# Altium PCB top_LM358.PcbDoc (part 2 of 6)
Units mil, origin at the board's own origin, x right, y up, seen from the top; angles counter-clockwise.
Board outline 10480 x 5830 mil, 2 copper layers (Top Layer, Bottom Layer); 771 components, 701 nets, 1994 pads, 493 vias.
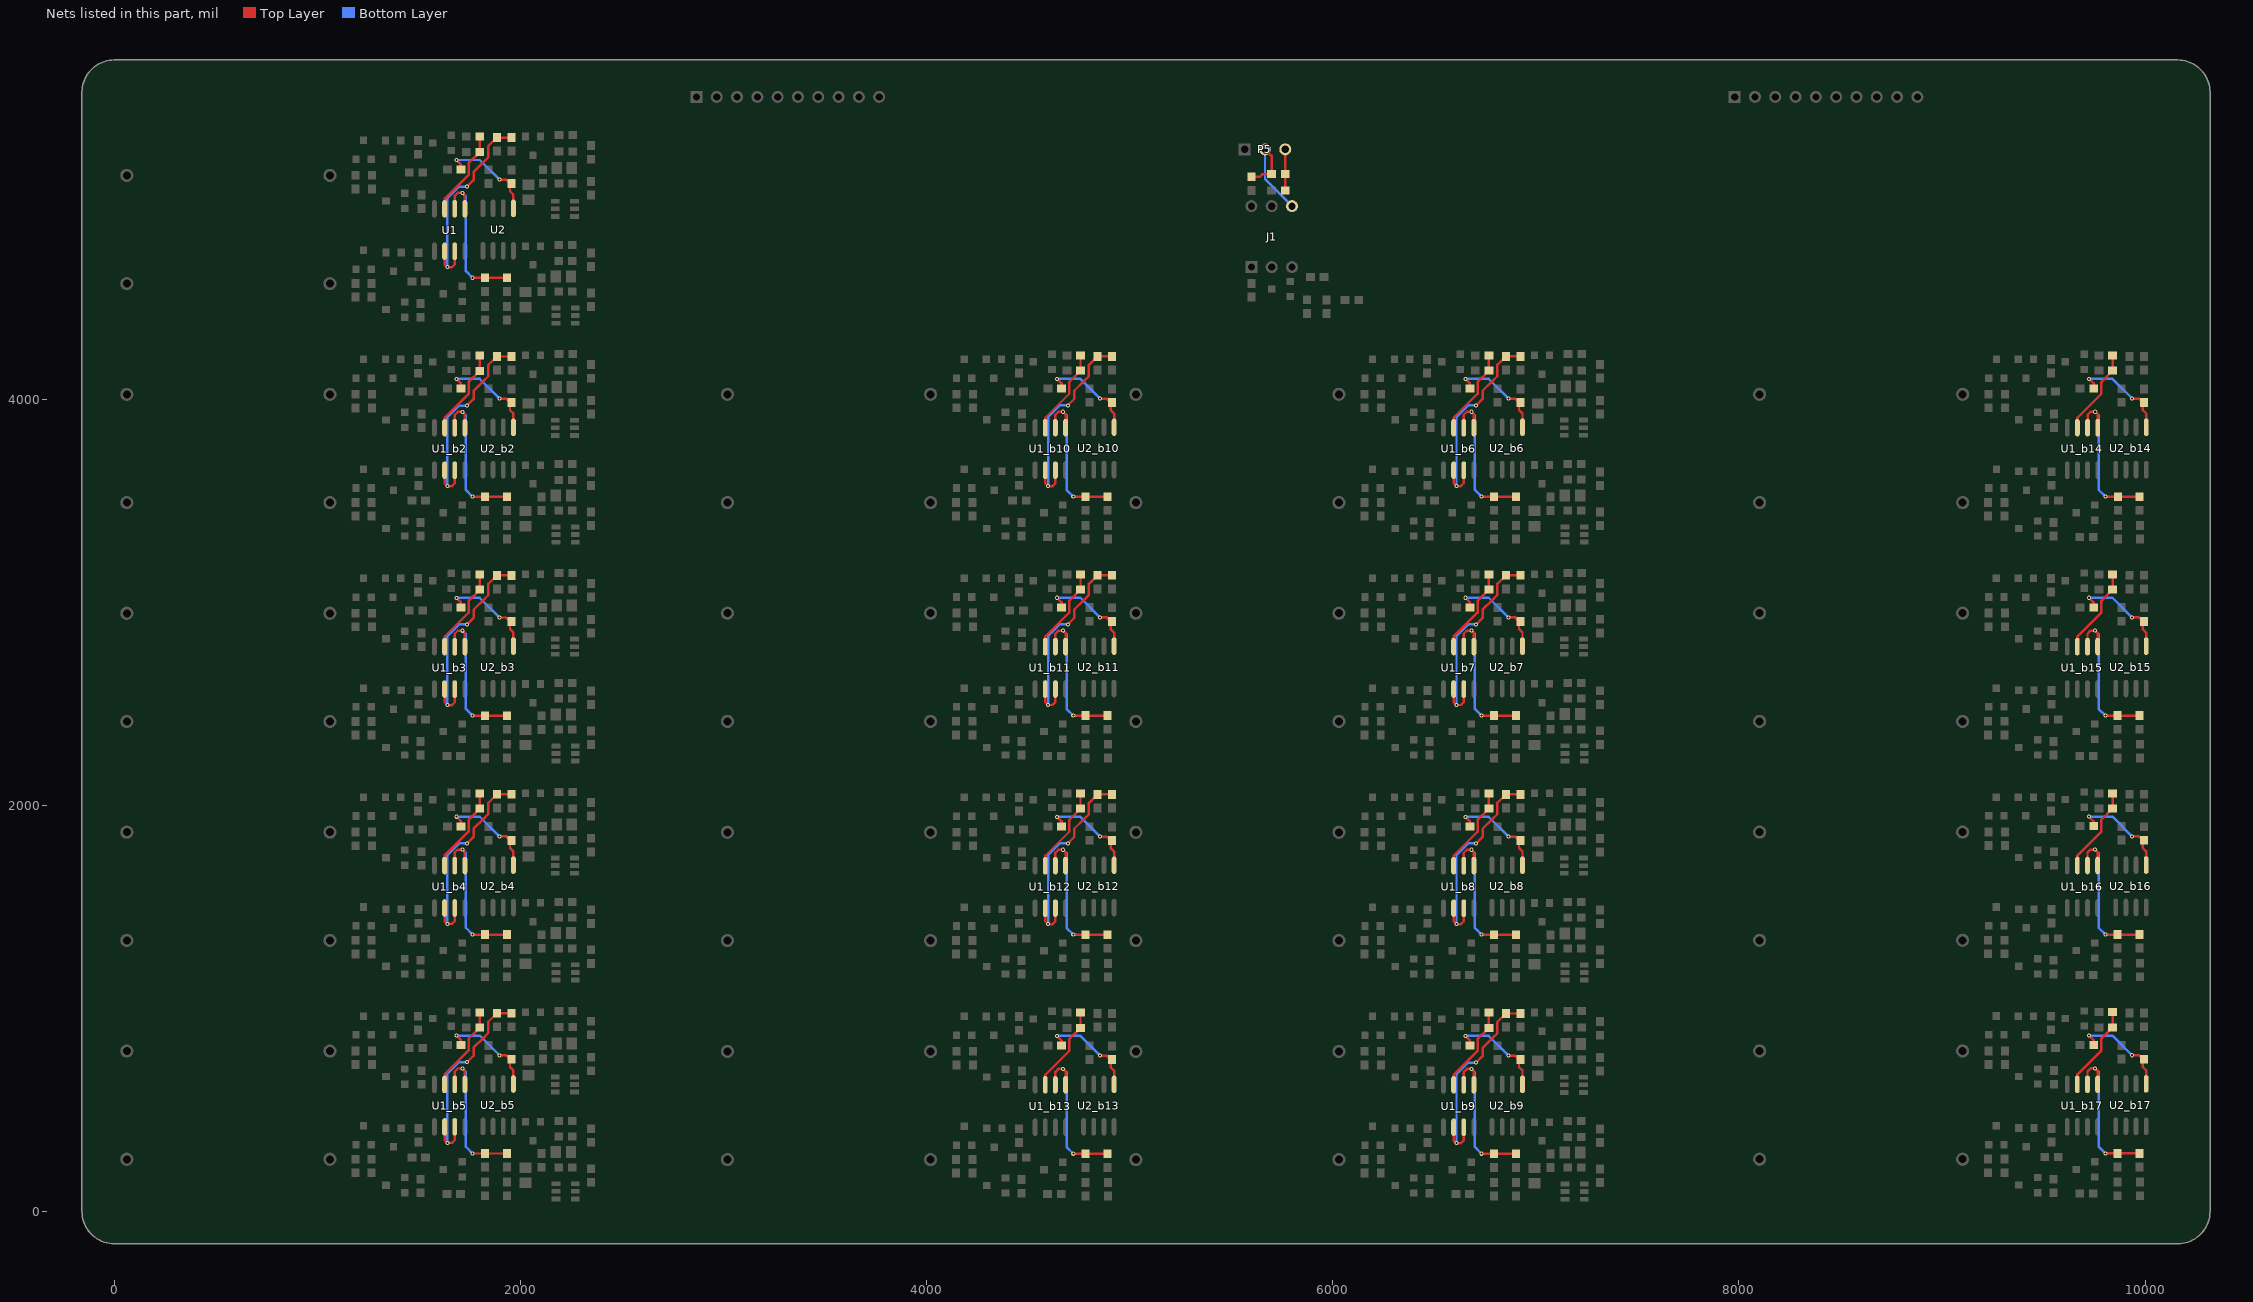
[diagram p2: the nets of this part, all layers, seen from the top]

## Components (designator, comment, footprint, x,y, rotation, side; value= is the part's Value field where it differs from the comment) (continued)
R43_b11 "Res1" 0603-1 4890.82,2407.58 r270 top (schematic designator R43)
R43_b12 "Res1" 0603-1 4890.82,1328.58 r270 top (schematic designator R43)
R43_b13 "Res1" 0603-1 4890.82,249.58 r270 top (schematic designator R43)
R43_b14 "Res1" 0603-1 9973.82,3485.58 r270 top (schematic designator R43)
R43_b15 "Res1" 0603-1 9973.57,2407.58 r270 top (schematic designator R43)
R43_b16 "Res1" 0603-1 9973.57,1329.58 r270 top (schematic designator R43)
R43_b17 "Res1" 0603-1 9973.57,251.58 r270 top (schematic designator R43)
R44 "Res1" 0603-1 1933.82,4422.58 r270 top
R44_b2 "Res1" 0603-1 1933.82,3344.26 r270 top (schematic designator R44)
R44_b3 "Res1" 0603-1 1933.82,2266.26 r270 top (schematic designator R44)
R44_b4 "Res1" 0603-1 1933.82,1188.26 r270 top (schematic designator R44)
R44_b5 "Res1" 0603-1 1933.82,110.26 r270 top (schematic designator R44)
R44_b6 "Res1" 0603-1 6903.08,3344.58 r270 top (schematic designator R44)
R44_b7 "Res1" 0603-1 6903.08,2266.58 r270 top (schematic designator R44)
R44_b8 "Res1" 0603-1 6903.08,1187.58 r270 top (schematic designator R44)
R44_b9 "Res1" 0603-1 6903.08,108.58 r270 top (schematic designator R44)
R44_b10 "Res1" 0603-1 4891.82,3344.58 r270 top (schematic designator R44)
R44_b11 "Res1" 0603-1 4891.82,2266.58 r270 top (schematic designator R44)
R44_b12 "Res1" 0603-1 4891.82,1187.58 r270 top (schematic designator R44)
R44_b13 "Res1" 0603-1 4891.82,108.58 r270 top (schematic designator R44)
R44_b14 "Res1" 0603-1 9974.82,3344.58 r270 top (schematic designator R44)
R44_b15 "Res1" 0603-1 9974.57,2266.58 r270 top (schematic designator R44)
R44_b16 "Res1" 0603-1 9974.57,1188.58 r270 top (schematic designator R44)
R44_b17 "Res1" 0603-1 9974.57,110.58 r270 top (schematic designator R44)
R45 "Res1" 0603-1 1954.82,5254.58 r270 top
R45_b2 "Res1" 0603-1 1954.82,4176.26 r270 top (schematic designator R45)
R45_b3 "Res1" 0603-1 1954.82,3098.26 r270 top (schematic designator R45)
R45_b4 "Res1" 0603-1 1954.82,2020.26 r270 top (schematic designator R45)
R45_b5 "Res1" 0603-1 1954.82,942.26 r270 top (schematic designator R45)
R45_b6 "Res1" 0603-1 6924.08,4176.58 r270 top (schematic designator R45)
R45_b7 "Res1" 0603-1 6924.08,3098.58 r270 top (schematic designator R45)
R45_b8 "Res1" 0603-1 6924.08,2019.58 r270 top (schematic designator R45)
R45_b9 "Res1" 0603-1 6924.08,940.58 r270 top (schematic designator R45)
R45_b10 "Res1" 0603-1 4912.82,4176.58 r270 top (schematic designator R45)
R45_b11 "Res1" 0603-1 4912.82,3098.58 r270 top (schematic designator R45)
R45_b12 "Res1" 0603-1 4912.82,2019.58 r270 top (schematic designator R45)
R45_b13 "Res1" 0603-1 4912.82,940.58 r270 top (schematic designator R45)
R45_b14 "Res1" 0603-1 9995.82,4176.58 r270 top (schematic designator R45)
R45_b15 "Res1" 0603-1 9995.57,3098.58 r270 top (schematic designator R45)
R45_b16 "Res1" 0603-1 9995.57,2020.58 r270 top (schematic designator R45)
R45_b17 "Res1" 0603-1 9995.57,942.58 r270 top (schematic designator R45)
R46 "Res1" 0603-1 1954.82,5094.58 r270 top
R46_b2 "Res1" 0603-1 1954.82,4016.26 r270 top (schematic designator R46)
R46_b3 "Res1" 0603-1 1954.82,2938.26 r270 top (schematic designator R46)
R46_b4 "Res1" 0603-1 1954.82,1860.26 r270 top (schematic designator R46)
R46_b5 "Res1" 0603-1 1954.82,782.26 r270 top (schematic designator R46)
R46_b6 "Res1" 0603-1 6924.08,4016.58 r270 top (schematic designator R46)
R46_b7 "Res1" 0603-1 6924.08,2938.58 r270 top (schematic designator R46)
R46_b8 "Res1" 0603-1 6924.08,1859.58 r270 top (schematic designator R46)
R46_b9 "Res1" 0603-1 6924.08,780.58 r270 top (schematic designator R46)
R46_b10 "Res1" 0603-1 4912.82,4016.58 r270 top (schematic designator R46)
R46_b11 "Res1" 0603-1 4912.82,2938.58 r270 top (schematic designator R46)
R46_b12 "Res1" 0603-1 4912.82,1859.58 r270 top (schematic designator R46)
R46_b13 "Res1" 0603-1 4912.82,780.58 r270 top (schematic designator R46)
R46_b14 "Res1" 0603-1 9995.82,4016.58 r270 top (schematic designator R46)
R46_b15 "Res1" 0603-1 9995.57,2938.58 r270 top (schematic designator R46)
R46_b16 "Res1" 0603-1 9995.57,1860.58 r270 top (schematic designator R46)
R46_b17 "Res1" 0603-1 9995.57,782.58 r270 top (schematic designator R46)
R47 "Res1" 0603-1 1882.82,5254.58 r270 top
R47_b2 "Res1" 0603-1 1882.82,4176.26 r270 top (schematic designator R47)
R47_b3 "Res1" 0603-1 1882.82,3098.26 r270 top (schematic designator R47)
R47_b4 "Res1" 0603-1 1882.82,2020.26 r270 top (schematic designator R47)
R47_b5 "Res1" 0603-1 1882.82,942.26 r270 top (schematic designator R47)
R47_b6 "Res1" 0603-1 6852.08,4176.58 r270 top (schematic designator R47)
R47_b7 "Res1" 0603-1 6852.08,3098.58 r270 top (schematic designator R47)
R47_b8 "Res1" 0603-1 6852.08,2019.58 r270 top (schematic designator R47)
R47_b9 "Res1" 0603-1 6852.08,940.58 r270 top (schematic designator R47)
R47_b10 "Res1" 0603-1 4840.82,4176.58 r270 top (schematic designator R47)
R47_b11 "Res1" 0603-1 4840.82,3098.58 r270 top (schematic designator R47)
R47_b12 "Res1" 0603-1 4840.82,2019.58 r270 top (schematic designator R47)
R47_b13 "Res1" 0603-1 4840.82,940.58 r270 top (schematic designator R47)
R47_b14 "Res1" 0603-1 9923.82,4176.58 r270 top (schematic designator R47)
R47_b15 "Res1" 0603-1 9923.57,3098.58 r270 top (schematic designator R47)
R47_b16 "Res1" 0603-1 9923.57,2020.58 r270 top (schematic designator R47)
R47_b17 "Res1" 0603-1 9923.57,942.58 r270 top (schematic designator R47)
R48 "Res1" 0603-1 1842.82,5095.58 r270 top
R48_b2 "Res1" 0603-1 1842.82,4017.26 r270 top (schematic designator R48)
R48_b3 "Res1" 0603-1 1842.82,2939.26 r270 top (schematic designator R48)
R48_b4 "Res1" 0603-1 1842.82,1861.26 r270 top (schematic designator R48)
R48_b5 "Res1" 0603-1 1842.82,783.26 r270 top (schematic designator R48)
R48_b6 "Res1" 0603-1 6812.08,4017.58 r270 top (schematic designator R48)
R48_b7 "Res1" 0603-1 6812.08,2939.58 r270 top (schematic designator R48)
R48_b8 "Res1" 0603-1 6812.08,1860.58 r270 top (schematic designator R48)
R48_b9 "Res1" 0603-1 6812.08,781.58 r270 top (schematic designator R48)
R48_b10 "Res1" 0603-1 4800.82,4017.58 r270 top (schematic designator R48)
R48_b11 "Res1" 0603-1 4800.82,2939.58 r270 top (schematic designator R48)
R48_b12 "Res1" 0603-1 4800.82,1860.58 r270 top (schematic designator R48)
R48_b13 "Res1" 0603-1 4800.82,781.58 r270 top (schematic designator R48)
R48_b14 "Res1" 0603-1 9883.82,4017.58 r270 top (schematic designator R48)
R48_b15 "Res1" 0603-1 9883.57,2939.58 r270 top (schematic designator R48)
R48_b16 "Res1" 0603-1 9883.57,1861.58 r270 top (schematic designator R48)
R48_b17 "Res1" 0603-1 9883.57,783.58 r270 top (schematic designator R48)
R49 "Res1" 0603-1 1824.82,4563.58 r270 top
R49_b2 "Res1" 0603-1 1824.82,3485.26 r270 top (schematic designator R49)
R49_b3 "Res1" 0603-1 1824.82,2407.26 r270 top (schematic designator R49)
R49_b4 "Res1" 0603-1 1824.82,1329.26 r270 top (schematic designator R49)
R49_b5 "Res1" 0603-1 1824.82,251.26 r270 top (schematic designator R49)
R49_b6 "Res1" 0603-1 6794.08,3485.58 r270 top (schematic designator R49)
R49_b7 "Res1" 0603-1 6794.08,2407.58 r270 top (schematic designator R49)
R49_b8 "Res1" 0603-1 6794.08,1328.58 r270 top (schematic designator R49)
R49_b9 "Res1" 0603-1 6794.08,249.58 r270 top (schematic designator R49)
R49_b10 "Res1" 0603-1 4782.82,3485.58 r270 top (schematic designator R49)
R49_b11 "Res1" 0603-1 4782.82,2407.58 r270 top (schematic designator R49)
R49_b12 "Res1" 0603-1 4782.82,1328.58 r270 top (schematic designator R49)
R49_b13 "Res1" 0603-1 4782.82,249.58 r270 top (schematic designator R49)
R49_b14 "Res1" 0603-1 9865.82,3485.58 r270 top (schematic designator R49)
R49_b15 "Res1" 0603-1 9865.57,2407.58 r270 top (schematic designator R49)
R49_b16 "Res1" 0603-1 9865.57,1329.58 r270 top (schematic designator R49)
R49_b17 "Res1" 0603-1 9865.57,251.58 r270 top (schematic designator R49)
R50 "Res1" 0603-1 1824.82,4422.58 r270 top
R50_b2 "Res1" 0603-1 1824.82,3344.26 r270 top (schematic designator R50)
R50_b3 "Res1" 0603-1 1824.82,2266.26 r270 top (schematic designator R50)
R50_b4 "Res1" 0603-1 1824.82,1188.26 r270 top (schematic designator R50)
R50_b5 "Res1" 0603-1 1824.82,110.26 r270 top (schematic designator R50)
R50_b6 "Res1" 0603-1 6794.08,3344.58 r270 top (schematic designator R50)
R50_b7 "Res1" 0603-1 6794.08,2266.58 r270 top (schematic designator R50)
R50_b8 "Res1" 0603-1 6794.08,1187.58 r270 top (schematic designator R50)
R50_b9 "Res1" 0603-1 6794.08,108.58 r270 top (schematic designator R50)
R50_b10 "Res1" 0603-1 4782.82,3344.58 r270 top (schematic designator R50)
R50_b11 "Res1" 0603-1 4782.82,2266.58 r270 top (schematic designator R50)
R50_b12 "Res1" 0603-1 4782.82,1187.58 r270 top (schematic designator R50)
R50_b13 "Res1" 0603-1 4782.82,108.58 r270 top (schematic designator R50)
R50_b14 "Res1" 0603-1 9865.82,3344.58 r270 top (schematic designator R50)
R50_b15 "Res1" 0603-1 9865.57,2266.58 r270 top (schematic designator R50)
R50_b16 "Res1" 0603-1 9865.57,1188.58 r270 top (schematic designator R50)
R50_b17 "Res1" 0603-1 9865.57,110.58 r270 top (schematic designator R50)
R51 "Res1" 0603-1 2223,5062 r180 top
R51_b2 "Res1" 0603-1 2223,3983.68 r180 top (schematic designator R51)
R51_b3 "Res1" 0603-1 2223,2905.68 r180 top (schematic designator R51)
R51_b4 "Res1" 0603-1 2223,1827.68 r180 top (schematic designator R51)
R51_b5 "Res1" 0603-1 2223,749.68 r180 top (schematic designator R51)
R51_b6 "Res1" 0603-1 7192.25,3984 r180 top (schematic designator R51)
R51_b7 "Res1" 0603-1 7192.25,2906 r180 top (schematic designator R51)
R51_b8 "Res1" 0603-1 7192.25,1827 r180 top (schematic designator R51)
R51_b9 "Res1" 0603-1 7192.25,748 r180 top (schematic designator R51)
R52 "Res1" 0603-1 2111,5096 r90 top
R52_b2 "Res1" 0603-1 2111,4017.68 r90 top (schematic designator R52)
R52_b3 "Res1" 0603-1 2111,2939.68 r90 top (schematic designator R52)
R52_b4 "Res1" 0603-1 2111,1861.68 r90 top (schematic designator R52)
R52_b5 "Res1" 0603-1 2111,783.68 r90 top (schematic designator R52)
R52_b6 "Res1" 0603-1 7080.25,4018 r90 top (schematic designator R52)
R52_b7 "Res1" 0603-1 7080.25,2940 r90 top (schematic designator R52)
R52_b8 "Res1" 0603-1 7080.25,1861 r90 top (schematic designator R52)
R52_b9 "Res1" 0603-1 7080.25,782 r90 top (schematic designator R52)
R53 "Res1" 0603-1 2221,4529 r0 top
R53_b2 "Res1" 0603-1 2221,3450.68 r0 top (schematic designator R53)
R53_b3 "Res1" 0603-1 2221,2372.68 r0 top (schematic designator R53)
R53_b4 "Res1" 0603-1 2221,1294.68 r0 top (schematic designator R53)
R53_b5 "Res1" 0603-1 2221,216.68 r0 top (schematic designator R53)
R53_b6 "Res1" 0603-1 7190.25,3451 r0 top (schematic designator R53)
R53_b7 "Res1" 0603-1 7190.25,2373 r0 top (schematic designator R53)
R53_b8 "Res1" 0603-1 7190.25,1294 r0 top (schematic designator R53)
R53_b9 "Res1" 0603-1 7190.25,215 r0 top (schematic designator R53)
R54 "Res1" 0603-1 2104,4563 r90 top
R54_b2 "Res1" 0603-1 2104,3484.68 r90 top (schematic designator R54)
R54_b3 "Res1" 0603-1 2104,2406.68 r90 top (schematic designator R54)
R54_b4 "Res1" 0603-1 2104,1328.68 r90 top (schematic designator R54)
R54_b5 "Res1" 0603-1 2104,250.68 r90 top (schematic designator R54)
R54_b6 "Res1" 0603-1 7073.25,3485 r90 top (schematic designator R54)
R54_b7 "Res1" 0603-1 7073.25,2407 r90 top (schematic designator R54)
R54_b8 "Res1" 0603-1 7073.25,1328 r90 top (schematic designator R54)
R54_b9 "Res1" 0603-1 7073.25,249 r90 top (schematic designator R54)
U1 "LM358" SOIC-8 1650.82,4832.58 r270 top
U1_b2 "LM358" SOIC-8 1650.82,3754.26 r270 top (schematic designator U1)
U1_b3 "LM358" SOIC-8 1650.82,2676.26 r270 top (schematic designator U1)
U1_b4 "LM358" SOIC-8 1650.82,1598.26 r270 top (schematic designator U1)
U1_b5 "LM358" SOIC-8 1650.82,520.26 r270 top (schematic designator U1)
U1_b6 "LM358" SOIC-8 6620.08,3754.58 r270 top (schematic designator U1)
U1_b7 "LM358" SOIC-8 6620.08,2676.58 r270 top (schematic designator U1)
U1_b8 "LM358" SOIC-8 6620.08,1597.58 r270 top (schematic designator U1)
U1_b9 "LM358" SOIC-8 6620.08,518.58 r270 top (schematic designator U1)
U1_b10 "LM358" SOIC-8 4608.82,3754.58 r270 top (schematic designator U1)
U1_b11 "LM358" SOIC-8 4608.82,2676.58 r270 top (schematic designator U1)
U1_b12 "LM358" SOIC-8 4608.82,1597.58 r270 top (schematic designator U1)
U1_b13 "LM358" SOIC-8 4608.82,518.58 r270 top (schematic designator U1)
U1_b14 "LM358" SOIC-8 9691.82,3754.58 r270 top (schematic designator U1)
U1_b15 "LM358" SOIC-8 9691.57,2676.58 r270 top (schematic designator U1)
U1_b16 "LM358" SOIC-8 9691.57,1598.58 r270 top (schematic designator U1)
U1_b17 "LM358" SOIC-8 9691.57,520.58 r270 top (schematic designator U1)
U2 "LM358" SOIC-8 1889.82,4834.86 r270 top
U2_b2 "LM358" SOIC-8 1889.82,3756.54 r270 top (schematic designator U2)
U2_b3 "LM358" SOIC-8 1889.82,2678.54 r270 top (schematic designator U2)
U2_b4 "LM358" SOIC-8 1889.82,1600.54 r270 top (schematic designator U2)
U2_b5 "LM358" SOIC-8 1889.82,522.54 r270 top (schematic designator U2)
U2_b6 "LM358" SOIC-8 6859.08,3756.86 r270 top (schematic designator U2)
U2_b7 "LM358" SOIC-8 6859.08,2678.86 r270 top (schematic designator U2)
U2_b8 "LM358" SOIC-8 6859.08,1599.86 r270 top (schematic designator U2)
U2_b9 "LM358" SOIC-8 6859.08,520.86 r270 top (schematic designator U2)
U2_b10 "LM358" SOIC-8 4847.82,3756.86 r270 top (schematic designator U2)
U2_b11 "LM358" SOIC-8 4847.82,2678.86 r270 top (schematic designator U2)
U2_b12 "LM358" SOIC-8 4847.82,1599.86 r270 top (schematic designator U2)
U2_b13 "LM358" SOIC-8 4847.82,520.86 r270 top (schematic designator U2)
U2_b14 "LM358" SOIC-8 9930.82,3756.86 r270 top (schematic designator U2)
U2_b15 "LM358" SOIC-8 9930.57,2678.86 r270 top (schematic designator U2)
U2_b16 "LM358" SOIC-8 9930.57,1600.86 r270 top (schematic designator U2)
U2_b17 "LM358" SOIC-8 9930.57,522.86 r270 top (schematic designator U2)
U3 "CN958" SOT23-6 2218,4937 r0 top
U3_b2 "CN958" SOT23-6 2218,3858.68 r0 top (schematic designator U3)
U3_b3 "CN958" SOT23-6 2218,2780.68 r0 top (schematic designator U3)
U3_b4 "CN958" SOT23-6 2218,1702.68 r0 top (schematic designator U3)
U3_b5 "CN958" SOT23-6 2218,624.68 r0 top (schematic designator U3)
U3_b6 "CN958" SOT23-6 7187.25,3859 r0 top (schematic designator U3)
U3_b7 "CN958" SOT23-6 7187.25,2781 r0 top (schematic designator U3)
U3_b8 "CN958" SOT23-6 7187.25,1702 r0 top (schematic designator U3)
U3_b9 "CN958" SOT23-6 7187.25,623 r0 top (schematic designator U3)
U4 "CN958" SOT23-6 2222,4411 r0 top
U4_b2 "CN958" SOT23-6 2222,3332.68 r0 top (schematic designator U4)
U4_b3 "CN958" SOT23-6 2222,2254.68 r0 top (schematic designator U4)
U4_b4 "CN958" SOT23-6 2222,1176.68 r0 top (schematic designator U4)
U4_b5 "CN958" SOT23-6 2222,98.68 r0 top (schematic designator U4)
U4_b6 "CN958" SOT23-6 7191.25,3333 r0 top (schematic designator U4)
U4_b7 "CN958" SOT23-6 7191.25,2255 r0 top (schematic designator U4)
U4_b8 "CN958" SOT23-6 7191.25,1176 r0 top (schematic designator U4)
U4_b9 "CN958" SOT23-6 7191.25,97 r0 top (schematic designator U4)

## Footprints (in the part's own frame and the unit in brackets; to place one, negate y for a bottom-side part, rotate by r counter-clockwise, add the part's x,y. Pads: shape width x height; smd on the part's side, far side on the other; paste and mask are expansions set on the pad)
0603-1 [mm] "0603带丝印"
  rect 1.1x1 smd: 1(-0.85,0) 2(0.85,0)
  silkscreen extent -1.65,-0.76 1.65,0.76, body extent -0.8,-0.4 0.8,0.4, height 0.3
AXIAL-1.0 [mm] "Adjustable Magnetic-Core Inductor; 2 Leads"
  round 1.65 hole 1: 1(-12.7,0) 2(12.7,0)
  silkscreen extent -10.79,-3.81 10.79,3.81
C-0603 [mm] "贴片电容"
  rect 1.1x1 smd: 1(-0.85,0) 2(0.85,0)
  silkscreen extent -1.73,-0.76 1.73,0.76, body extent -0.8,-0.4 0.8,0.4, height 0.3
DIP-6 [mm]
  rect 1.5x1.5 hole 0.9: 1(-3.81,2.54)
  round 1.5 hole 0.9: 2(-3.81,0) 3(-3.81,-2.54) 4(3.81,-2.54) 5(3.81,0) 6(3.81,2.54)
  silkscreen extent -3.93,-3.94 2.65,3.96, body extent -3.6,-3.94 3.6,3.88, height 5.08
HDR3X1-2.54 [mm] "2.54单排针排座"
  rect 1.5x1.5 hole 0.9: 1(0,0)
  round 1.5 hole 0.9: 2(2.54,0) 3(5.08,0)
  silkscreen extent -1.27,-1.27 6.35,1.27, body extent -1.27,-1.27 6.35,1.27, height 8.54
HDR10X1-2.54 [mm]
  rect 1.5x1.5 hole 0.9: 1(-12.7,0)
  round 1.5 hole 0.9: 2(-10.16,0) 3(-7.62,0) 4(-5.08,0) 5(-2.54,0) 6(0,0) 7(2.54,0) 8(5.08,0) 9(7.62,0) 10(10.16,0)
  silkscreen extent -13.97,-1.27 11.43,1.27
LED-0805 [mm] "贴片LED"
  rect 1.3x1.5 smd: 1(-0.95,0) 2(0.95,0)
  silkscreen extent 1.91,-0.63 1.91,0.64
SOIC-8 [mm]
  oval 2.2x0.6 smd: 1(-2.654,1.905) 2(-2.654,0.635) 3(-2.654,-0.635) 4(-2.654,-1.905) 5(2.654,-1.905) 6(2.654,-0.635) 7(2.654,0.635) 8(2.654,1.905)
  silkscreen extent -2.52,-2.5 0.9,2.88, body extent -3,-2.45 3,2.45, height 1.7
SOT23-3 [mm]
  rect 0.9x0.95 smd: 1(-0.95,-1.175) 2(0.95,-1.175) 3(0,1.175)
  silkscreen extent -2.03,-1.14 1.3,1.18, body extent -1.45,-1.4 1.45,1.4, height 1.2
SOT23-6 [mm] "Max4173"
  rect 1.1x0.6 smd: 1(-1.2,0.95) 2(-1.2,0) 3(-1.2,-0.95) 4(1.2,-0.95) 5(1.2,0) 6(1.2,0.95)
  silkscreen extent -1.32,-1.5 0.25,1.92, body extent -1.19,-1.4 1.23,1.4, height 1.08

## Part data
C1: "贴片瓷片电容"
D1 D1_b2 D1_b3 D1_b4 D1_b5 D1_b6 D1_b7 D1_b8 D1_b9 D2 D2_b2 D2_b3 D2_b4 D2_b5 D2_b6 D2_b7 D2_b8 D2_b9 D3 D3_b2 D3_b3 D3_b4 D3_b5 D3_b6 D3_b7 D3_b8 D3_b9 D4 D4_b2 D4_b3 D4_b4 D4_b5 D4_b6 D4_b7 D4_b8 D4_b9: library part Diode-R, "整流二极管"
J1: "光电耦合器"
P1 P2 P5: "接插件"
Q1 Q1_b2 Q1_b3 Q1_b4 Q1_b5 Q1_b6 Q1_b7 Q1_b8 Q1_b9 Q1_b10 Q1_b11 Q1_b12 Q1_b13 Q1_b14 Q1_b15 Q1_b16 Q1_b17 Q2 Q2_b2 Q2_b3 Q2_b4 Q2_b5 Q2_b6 Q2_b7 Q2_b8 Q2_b9 Q6 Q6_b2 Q6_b3 Q6_b4 Q6_b5 Q6_b6 Q6_b7 Q6_b8 Q6_b9 Q6_b10 Q6_b11 Q6_b12 Q6_b13 Q6_b14 Q6_b15 Q6_b16 Q6_b17 Q7 Q7_b2 Q7_b3 Q7_b4 Q7_b5 Q7_b6 Q7_b7 Q7_b8 Q7_b9 Q11 Q11_b2 Q11_b3 Q11_b4 Q11_b5 Q11_b6 Q11_b7 Q11_b8 Q11_b9 Q11_b10 Q11_b11 Q11_b12 Q11_b13 Q11_b14 Q11_b15 Q11_b16 Q11_b17 Q12 Q12_b2 Q12_b3 Q12_b4 Q12_b5 Q12_b6 Q12_b7 Q12_b8 Q12_b9 Q12_b10 Q12_b11 Q12_b12 Q12_b13 Q12_b14 Q12_b15 Q12_b16 Q12_b17: library part PNP1, "贴片三极管"
Q3 Q3_b2 Q3_b3 Q3_b4 Q3_b5 Q3_b6 Q3_b7 Q3_b8 Q3_b9 Q3_b10 Q3_b11 Q3_b12 Q3_b13 Q3_b14 Q3_b15 Q3_b16 Q3_b17 Q8 Q8_b2 Q8_b3 Q8_b4 Q8_b5 Q8_b6 Q8_b7 Q8_b8 Q8_b9 Q8_b10 Q8_b11 Q8_b12 Q8_b13 Q8_b14 Q8_b15 Q8_b16 Q8_b17 Q13: library part NPN1, "贴片三极管"
Q5 Q5_b2 Q5_b3 Q5_b4 Q5_b5 Q5_b6 Q5_b7 Q5_b8 Q5_b9 Q5_b10 Q5_b11 Q5_b12 Q5_b13 Q5_b14 Q5_b15 Q5_b16 Q5_b17 Q10 Q10_b2 Q10_b3 Q10_b4 Q10_b5 Q10_b6 Q10_b7 Q10_b8 Q10_b9 Q10_b10 Q10_b11 Q10_b12 Q10_b13 Q10_b14 Q10_b15 Q10_b16 Q10_b17: library part MOSFET-N1, "MOSFET"
R1 R1_b2 R1_b3 R1_b4 R1_b5 R1_b6 R1_b7 R1_b8 R1_b9 R1_b10 R1_b11 R1_b12 R1_b13 R1_b14 R1_b15 R1_b16 R1_b17 R6 R6_b2 R6_b3 R6_b4 R6_b5 R6_b6 R6_b7 R6_b8 R6_b9 R6_b10 R6_b11 R6_b12 R6_b13 R6_b14 R6_b15 R6_b16 R6_b17 R7 R7_b2 R7_b3 R7_b4 R7_b5 R7_b6 R7_b7 R7_b8 R7_b9 R8 R8_b2 R8_b3 R8_b4 R8_b5 R8_b6 R8_b7 R8_b8 R8_b9 R9 R9_b2 R9_b3 R9_b4 R9_b5 R9_b6 R9_b7 R9_b8 R9_b9 R9_b10 R9_b11 R9_b12 R9_b13 R9_b14 R9_b15 R9_b16 R9_b17 R10 R10_b2 R10_b3 R10_b4 R10_b5 R10_b6 R10_b7 R10_b8 R10_b9 R10_b10 R10_b11 R10_b12 R10_b13 R10_b14 R10_b15 R10_b16 R10_b17 R11 R11_b2 R11_b3 R11_b4 R11_b5 R11_b6 R11_b7 R11_b8 R11_b9 R11_b10 R11_b11 R11_b12 R11_b13 R11_b14 R11_b15 R11_b16 R11_b17 R12 R12_b2 R12_b3 R12_b4 R12_b5 R12_b6 R12_b7 R12_b8 R12_b9 R12_b10 R12_b11 R12_b12 R12_b13 R12_b14 R12_b15 R12_b16 R12_b17 R13 R13_b2 R13_b3 R13_b4 R13_b5 R13_b6 R13_b7 R13_b8 R13_b9 R14 R14_b2 R14_b3 R14_b4 R14_b5 R14_b6 R14_b7 R14_b8 R14_b9 R14_b10 R14_b11 R14_b12 R14_b13 R14_b14 R14_b15 R14_b16 R14_b17 R19 R19_b2 R19_b3 R19_b4 R19_b5 R19_b6 R19_b7 R19_b8 R19_b9 R19_b10 R19_b11 R19_b12 R19_b13 R19_b14 R19_b15 R19_b16 R19_b17 R20 R20_b2 R20_b3 R20_b4 R20_b5 R20_b6 R20_b7 R20_b8 R20_b9 R21 R21_b2 R21_b3 R21_b4 R21_b5 R21_b6 R21_b7 R21_b8 R21_b9 R22 R22_b2 R22_b3 R22_b4 R22_b5 R22_b6 R22_b7 R22_b8 R22_b9 R22_b10 R22_b11 R22_b12 R22_b13 R22_b14 R22_b15 R22_b16 R22_b17 R23 R23_b2 R23_b3 R23_b4 R23_b5 R23_b6 R23_b7 R23_b8 R23_b9 R23_b10 R23_b11 R23_b12 R23_b13 R23_b14 R23_b15 R23_b16 R23_b17 R24 R24_b2 R24_b3 R24_b4 R24_b5 R24_b6 R24_b7 R24_b8 R24_b9 R25 R26 R27 R28 R29 R30 R31 R32 R32_b2 R32_b3 R32_b4 R32_b5 R32_b6 R32_b7 R32_b8 R32_b9 R33 R33_b2 R33_b3 R33_b4 R33_b5 R33_b6 R33_b7 R33_b8 R33_b9 R35 R35_b2 R35_b3 R35_b4 R35_b5 R35_b6 R35_b7 R35_b8 R35_b9 R35_b10 R35_b11 R35_b12 R35_b13 R35_b14 R35_b15 R35_b16 R35_b17 R37 R37_b2 R37_b3 R37_b4 R37_b5 R37_b6 R37_b7 R37_b8 R37_b9 R37_b10 R37_b11 R37_b12 R37_b13 R37_b14 R37_b15 R37_b16 R37_b17 R39 R39_b2 R39_b3 R39_b4 R39_b5 R39_b6 R39_b7 R39_b8 R39_b9 R39_b10 R39_b11 R39_b12 R39_b13 R39_b14 R39_b15 R39_b16 R39_b17 R40 R40_b2 R40_b3 R40_b4 R40_b5 R40_b6 R40_b7 R40_b8 R40_b9 R40_b10 R40_b11 R40_b12 R40_b13 R40_b14 R40_b15 R40_b16 R40_b17 R41 R41_b2 R41_b3 R41_b4 R41_b5 R41_b6 R41_b7 R41_b8 R41_b9 R41_b10 R41_b11 R41_b12 R41_b13 R41_b14 R41_b15 R41_b16 R41_b17 R42 R42_b2 R42_b3 R42_b4 R42_b5 R42_b6 R42_b7 R42_b8 R42_b9 R42_b10 R42_b11 R42_b12 R42_b13 R42_b14 R42_b15 R42_b16 R42_b17 R43 R43_b2 R43_b3 R43_b4 R43_b5 R43_b6 R43_b7 R43_b8 R43_b9 R43_b10 R43_b11 R43_b12 R43_b13 R43_b14 R43_b15 R43_b16 R43_b17 R44 R44_b2 R44_b3 R44_b4 R44_b5 R44_b6 R44_b7 R44_b8 R44_b9 R44_b10 R44_b11 R44_b12 R44_b13 R44_b14 R44_b15 R44_b16 R44_b17 R45 R45_b2 R45_b3 R45_b4 R45_b5 R45_b6 R45_b7 R45_b8 R45_b9 R45_b10 R45_b11 R45_b12 R45_b13 R45_b14 R45_b15 R45_b16 R45_b17 R46 R46_b2 R46_b3 R46_b4 R46_b5 R46_b6 R46_b7 R46_b8 R46_b9 R46_b10 R46_b11 R46_b12 R46_b13 R46_b14 R46_b15 R46_b16 R46_b17 R47 R47_b2 R47_b3 R47_b4 R47_b5 R47_b6 R47_b7 R47_b8 R47_b9 R47_b10 R47_b11 R47_b12 R47_b13 R47_b14 R47_b15 R47_b16 R47_b17 R48 R48_b2 R48_b3 R48_b4 R48_b5 R48_b6 R48_b7 R48_b8 R48_b9 R48_b10 R48_b11 R48_b12 R48_b13 R48_b14 R48_b15 R48_b16 R48_b17 R49 R49_b2 R49_b3 R49_b4 R49_b5 R49_b6 R49_b7 R49_b8 R49_b9 R49_b10 R49_b11 R49_b12 R49_b13 R49_b14 R49_b15 R49_b16 R49_b17 R50 R50_b2 R50_b3 R50_b4 R50_b5 R50_b6 R50_b7 R50_b8 R50_b9 R50_b10 R50_b11 R50_b12 R50_b13 R50_b14 R50_b15 R50_b16 R50_b17 R51 R51_b2 R51_b3 R51_b4 R51_b5 R51_b6 R51_b7 R51_b8 R51_b9 R52 R52_b2 R52_b3 R52_b4 R52_b5 R52_b6 R52_b7 R52_b8 R52_b9 R53 R53_b2 R53_b3 R53_b4 R53_b5 R53_b6 R53_b7 R53_b8 R53_b9 R54 R54_b2 R54_b3 R54_b4 R54_b5 R54_b6 R54_b7 R54_b8 R54_b9: "贴片电阻"